# Altium PCB IC_LAB_test.PcbDoc (part 5 of 8)
Units mil, origin at the board's own origin, x right, y up, seen from the top; angles counter-clockwise.
Board outline 9750.75 x 5353.06 mil, 2 copper layers (Top Layer, Bottom Layer); 164 components, 0 nets, 5989 pads, 3214 vias.
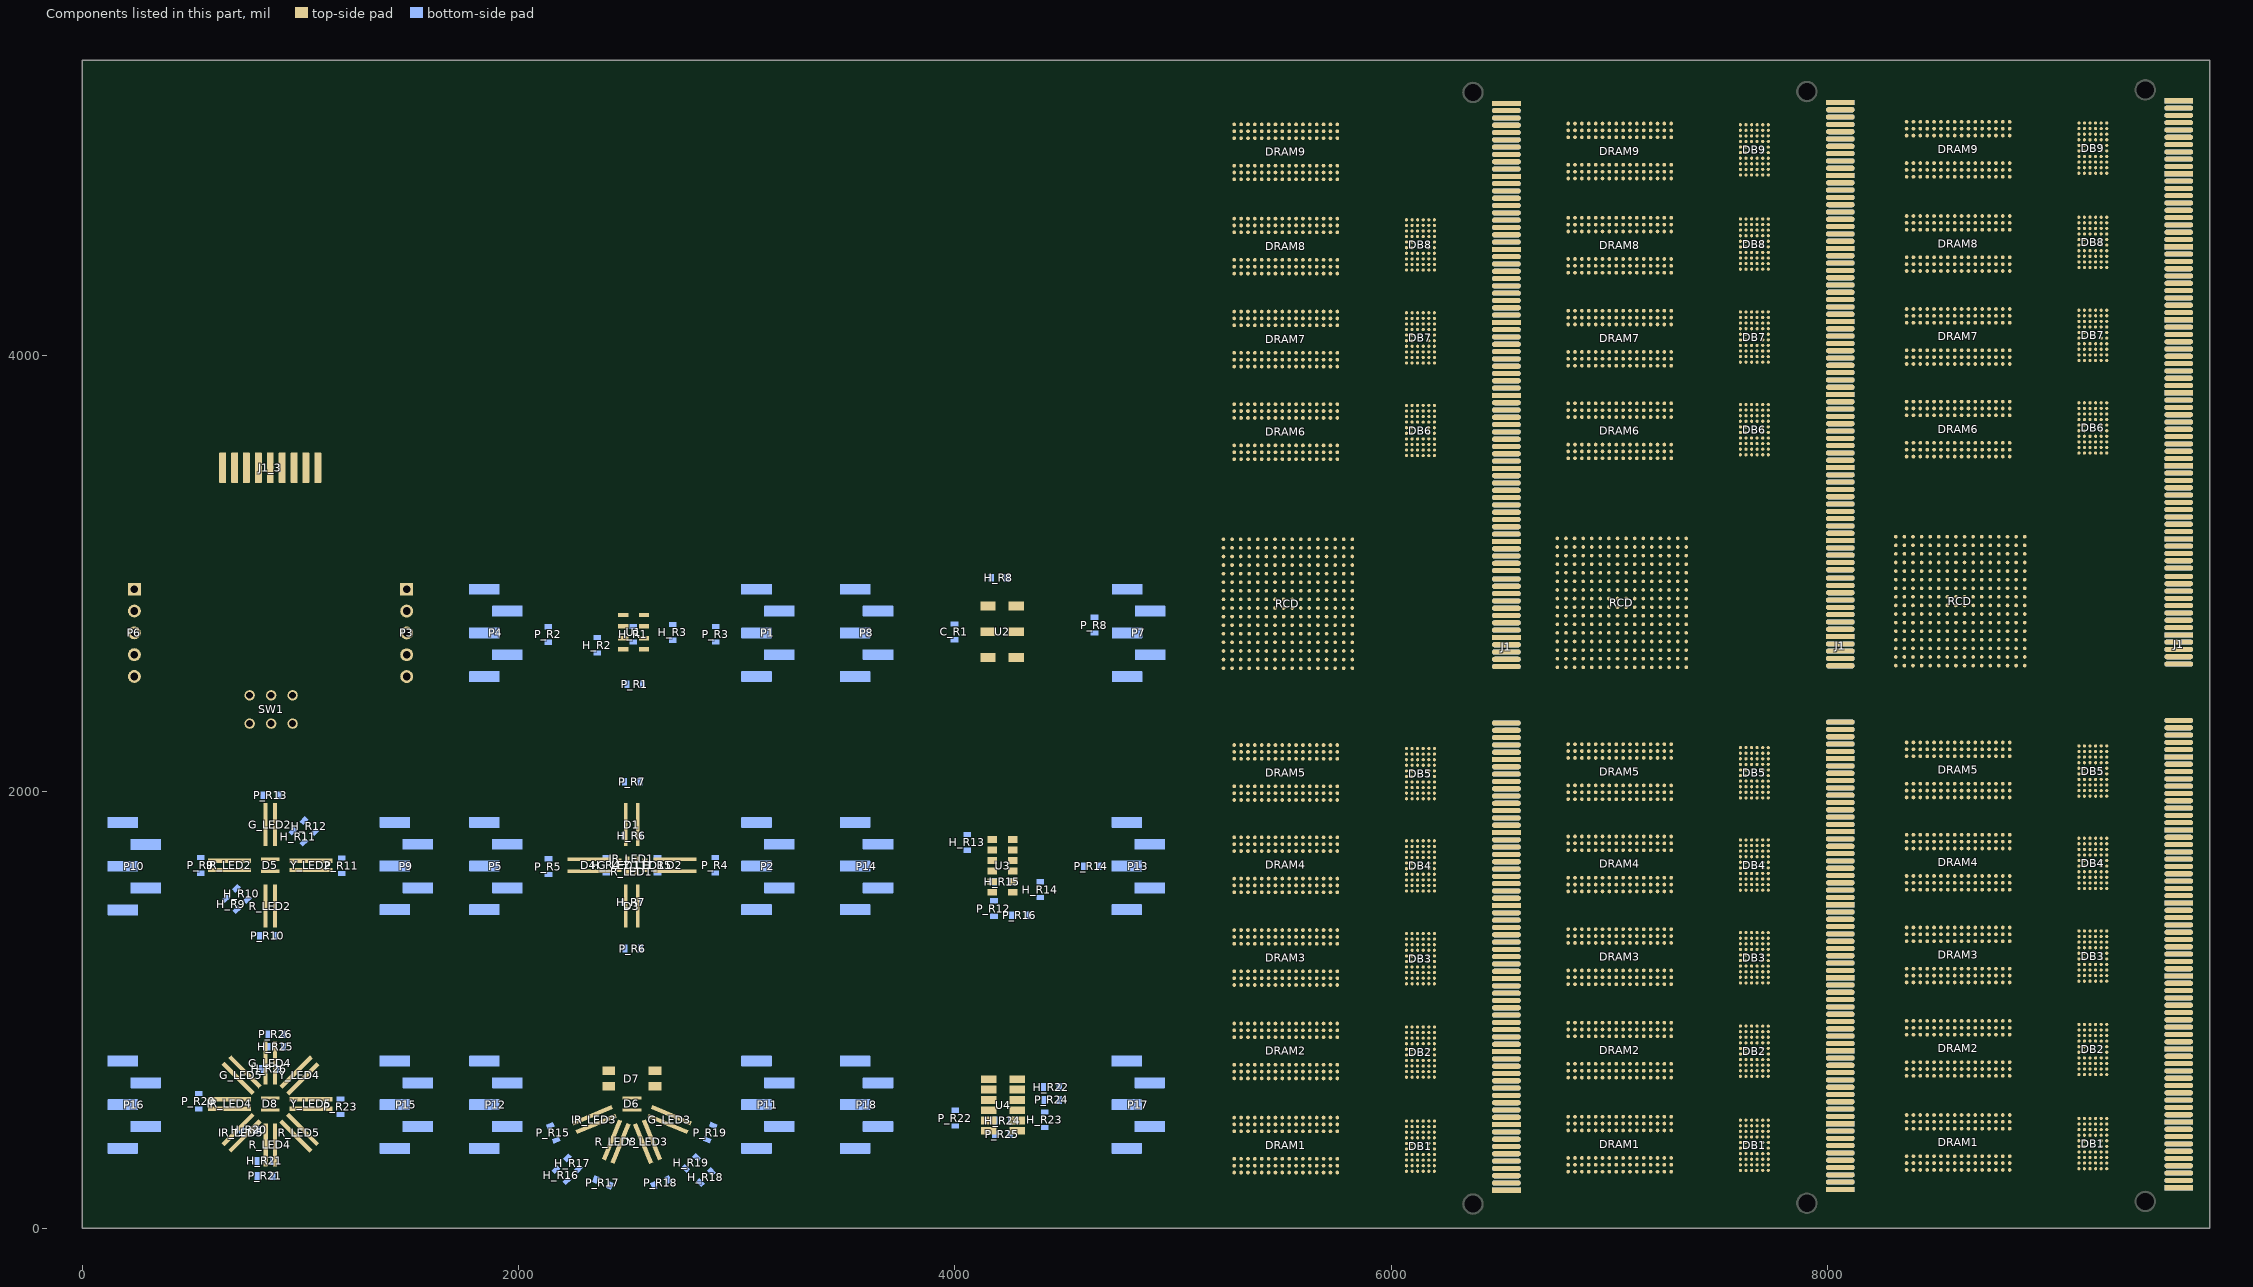
[diagram p5: the components of this part, seen from the top]

## Via types
v1: diameter 17.72, hole 8, Top Layer to Bottom Layer, 2685 vias
v2: diameter 39.37, hole 23.62, Top Layer to Bottom Layer, tented both sides, 414 vias
v3: diameter 23.62, hole 11.81, Top Layer to Bottom Layer, 52 vias
v4: diameter 23.62, hole 11.81, Top Layer to Bottom Layer, tented top, 33 vias
v5: diameter 31.5, hole 15.75, Top Layer to Bottom Layer, 21 vias
v6: diameter 137.8, hole 122.05, Top Layer to Bottom Layer, 3 vias
v7: diameter 78.74, hole 62.99, Top Layer to Bottom Layer, 3 vias
v8: diameter 39.37, hole 19.68, Top Layer to Bottom Layer, 3 vias

## Nets (pads, with @x,y where several pads share a name; then routed paths per layer and width w, separated by ;. In a path a pad name is that pad's centre, name@x,y a point inside that pad or via, vN(x,y) a via of type N, cw(c..) or ccw(c..) an arc to the next point about the centre after c; other vN are vias at no path point) (continued)
copper on no net: (continued)
  Top Layer w3.5: 8613.58,1771.46 8629.86,1755.18 8651.38,1755.18 8661.36,1745.2 8661.36,1733.66 8676.32,1718.7 8676.32,1702.72 8685.47,1693.57 8698.4,1693.57 8707.54,1702.72 8707.54,1718.98 8692.86,1733.66 8692.86,1777.76 8701.77,1786.67 8849.43,1786.67 8963.2,1672.9 ; 8613.58,2005.43 8614.67,2005.43 8629.06,1991.05 v1(8629.06,1945.05) ; 8613.58,2036.93 8613.58,2038.25 8631.06,2055.72 v1(8631.06,2057.05) ; 8613.58,2162.91 8616.25,2160.25 8616.25,2151.85 8632.06,2136.05 v1(8634.06,2136.05) ; 8613.58,3567.68 8630.06,3551.2 8630.06,3542.67 8629.86,3542.48 8629.86,3529.88 8630.06,3529.69 v1(8630.06,3504.05) ; 8613.58,3599.17 8613.58,3601.37 8631.06,3618.85 v1(8631.06,3621.05) ; 8613.58,3725.16 8615.06,3723.68 8615.06,3714.05 8630.06,3699.05 v1(8632.06,3699.05) ; 8613.58,3992.09 8631.06,3974.61 8631.06,3968.08 8629.86,3966.89 8629.86,3954.29 8631.06,3953.1 v1(8631.06,3935.05) ; 8613.58,4023.58 8613.58,4025.58 8632.06,4044.05 v1(8632.06,4046.05) ; 8613.58,4149.57 8613.58,4145.96 8634.06,4125.48 v1(8634.06,4123.05) ; 8613.58,4418.27 8613.58,4416.52 8630.06,4400.05 8630.06,4393.26 8629.86,4393.07 8629.86,4380.47 8630.06,4380.28 v1(8630.06,4359.05) ; 8613.58,4449.76 8613.58,4451.17 8632.06,4469.64 v1(8632.06,4471.05) ; 8613.58,4575.75 8615.32,4574.01 8615.32,4562.78 8633.06,4545.05 v1(8634.06,4545.05) ; 8613.58,4850.04 8613.58,4849.52 8629.06,4834.05 8629.06,4799.05 8631.33,4796.77 8631.33,4792.77 v1(8633.06,4791.05) ; 8613.58,4881.54 8613.58,4885.14 8630.06,4901.61 v1(8630.06,4904.05) ; 8613.58,5007.52 8613.58,5005.52 8634.06,4985.05 v1(8634.06,4983.05) ; v1(8641.06,3819.05) 8629.06,3807.05 8629.06,3774.05 8645.08,3758.02 8645.08,3756.65 ; v1(8643.06,2517.05) 8644.65,2517.05 8705.94,2578.35 ; 8645.08,455.55 8660.08,440.55 8660.08,431.02 v1(8661.06,430.05) ; 8645.08,487.05 8661.06,503.02 v1(8661.06,565.05) ; 8645.08,886.73 8662.06,869.76 v1(8662.06,858.05) ; 8645.08,918.23 8628.94,934.37 8628.94,971.93 8652.06,995.05 v1(8654.06,995.05) ; 8645.08,1314.96 8645.08,1312.46 8666.06,1291.48 v1(8666.06,1289.05) ; 8645.08,1346.46 8661.06,1362.43 8661.06,1396.61 8655.06,1402.61 v1(8655.06,1405.05) ; 8645.08,1739.96 8645.08,1737.92 8660.44,1722.56 v1(8660.44,1705.24) ; 8645.08,1771.46 8660.29,1786.67 8660.29,1809.25 8657.06,1812.49 v1(8657.06,1848.05) ; 8645.08,2162.91 8660.44,2147.56 v1(8660.44,2130.44) ; 8645.08,2194.41 8660.29,2209.62 8660.29,2255.81 v1(8650.06,2266.05) ; 8645.08,3725.16 8661.69,3708.55 8661.69,3698.41 v1(8662.06,3698.05) ; 8645.08,4149.57 8664.06,4130.59 v1(8664.06,4116.05) ; 8645.08,4181.06 8660.29,4196.28 8660.29,4236.81 v1(8651.06,4246.05) ; 8645.08,4575.75 8664.06,4556.77 v1(8664.06,4546.05) ; 8645.08,4607.24 8661.06,4623.22 8661.06,4662.2 8654.06,4669.2 v1(8654.06,4670.05) ; 8645.08,5007.52 8667.06,4985.54 v1(8667.06,4974.05) ; 8645.08,5039.02 8647.02,5039.02 8658.06,5050.05 8658.06,5061.97 8660.29,5064.21 8660.29,5076.81 8658.06,5079.05 v1(8658.06,5102.05) ; v1(8651.06,3910.05) 8659.06,3902.05 8853.06,3902.05 8909.73,3958.72 9158.69,3958.72 9176.69,3976.73 ; v1(8653.06,4329.05) 8858.06,4329.05 8916.06,4387.05 9160.83,4387.05 9176.69,4402.91 ; v1(8654.06,647.05) 8659.06,642.05 8857.06,642.05 8902.06,687.05 9160.24,687.05 9176.69,703.5 ; v1(8654.06,3491.05) 8656.06,3489.05 8866.06,3489.05 8911.06,3534.05 9158.42,3534.05 9176.69,3552.32 ; v1(8658.06,4770.05) 8663.06,4765.05 8870.06,4765.05 8920.73,4815.72 9157.73,4815.72 9176.69,4834.69 ; v1(8662.06,197.05) 8966.06,197.05 9024.06,255.05 9159.42,255.05 9176.69,272.32 ; v1(8676.06,1094.05) 8676.57,1094.57 8676.57,1125.98 ; v1(8676.06,1943.05) 8676.57,1943.57 8676.57,1973.94 ; 8676.57,266.57 8676.57,237.53 v1(8677.06,237.05) ; 8676.57,455.55 8694.06,438.07 v1(8694.06,431.05) ; 8676.57,697.76 8677.06,697.28 v1(8677.06,668.05) ; 8676.57,886.73 8695.87,867.44 v1(8695.87,858.79) ; 8676.57,1314.96 8678.36,1314.96 8697.27,1296.05 v1(8697.27,1294.19) ; 8676.57,1550.98 8676.57,1520.53 v1(8677.06,1520.05) ; 8676.57,1739.96 8676.57,1737.74 8696.13,1718.19 8691.93,1713.99 v1(8691.93,1709.18) ; 8676.57,2162.91 8676.57,2161.72 8693.06,2145.24 v1(8693.06,2144.05) ; 8676.57,3536.18 8676.57,3507.53 v1(8677.06,3507.05) ; 8676.57,3725.16 8676.57,3722.84 8692.06,3707.36 v1(8692.06,3705.05) ; 8676.57,3960.59 8676.57,3929.53 v1(8677.06,3929.05) ; 8676.57,4146.96 v1@8691.06,4132.48 ; 8676.57,4386.77 8676.57,4355.53 v1(8677.06,4355.05) ; 8676.57,4575.75 8676.57,4572.96 8692.06,4557.48 v1(8692.06,4555.05) ; 8676.57,4818.54 8676.57,4787.53 v1(8677.06,4787.05) ; 8676.57,5007.52 8676.57,5006.52 8693.06,4990.04 v1(8693.06,4989.05) ; v1(8680.06,3204.05) 8681.78,3202.33 8681.78,3195.81 8705.94,3171.64 8705.94,3168.9 ; v1(8686.06,2874.05) 8686.37,2874.05 8705.63,2893.31 8705.94,2893.31 ; v1(8687.06,2834.05) 8705.94,2852.94 8705.94,2853.94 ; v1(8687.06,2954.05) 8687.06,2952.81 8705.94,2933.92 8705.94,2932.68 ; v1(8695.06,2518.05) 8698.06,2518.05 8744.06,2564.05 8744.06,2577.09 8745.31,2578.35 ; v1(8718.06,3204.05) 8743.06,3179.05 8743.06,3171.16 8745.31,3168.9 ; v1(8720.06,1211.05) 8720.06,1209.77 8739.57,1190.26 8739.57,1188.98 ; v1(8723.06,1637.05) 8724.78,1635.33 8724.78,1628.77 8739.57,1613.98 ; v1(8723.06,3621.05) 8739.57,3604.54 8739.57,3599.17 ; v1(8724.06,784.05) 8739.57,768.54 8739.57,760.75 ; v1(8724.06,2061.05) 8725.78,2059.33 8725.78,2050.72 8739.57,2036.93 ; v1(8725.06,357.05) 8739.57,342.54 8739.57,329.57 ; v1(8726.06,2833.05) 8726.06,2833.86 8745.31,2853.12 8745.31,2853.94 ; v1(8726.06,2953.05) 8726.06,2952.49 8745.31,2933.23 8745.31,2932.68 ; v1(8727.06,2874.05) 8727.06,2874.55 8745.31,2892.81 8745.31,2893.31 ; 8739.57,455.55 8739.57,448.54 v1(8756.06,432.05) ; 8739.57,886.73 8738.06,885.22 8738.06,876.05 8757.06,857.05 v1(8759.06,857.05) ; 8739.57,1314.96 8739.57,1314.25 8759.06,1294.76 v1(8759.06,1294.05) ; 8739.57,1739.96 8759.33,1720.19 8759.33,1713.77 v1(8761.06,1712.05) ; 8739.57,2162.91 8742.23,2160.25 8742.23,2147.87 v1(8758.06,2132.05) ; 8739.57,3725.16 8742.06,3722.67 8742.06,3715.05 8754.06,3703.05 v1(8755.06,3703.05) ; 8739.57,4023.58 8755.06,4039.07 v1(8755.06,4050.05) ; 8739.57,4149.57 8739.57,4148.05 8757.06,4130.56 v1(8757.06,4129.05) ; 8739.57,4449.76 8739.57,4453.12 8756.06,4469.61 v1(8756.06,4472.05) ; 8739.57,4575.75 8739.57,4574.14 8758.06,4555.65 v1(8758.06,4554.05) ; 8739.57,4881.54 8742.23,4884.2 8742.23,4891.22 v1(8757.06,4906.05) ; 8739.57,5007.52 8739.57,5007.03 8759.06,4987.54 v1(8759.06,4987.05) ; 8745.31,2814.57 8747.43,2814.57 8763.94,2798.05 v1(8766.06,2798.05) ; v1(8746.06,2519.05) 8784.68,2557.68 8784.68,2578.35 ; v1(8754.06,1084.05) 8754.06,1118.96 8754.78,1119.68 8754.78,1132.29 8754.06,1133.01 8754.06,1140.47 8771.06,1157.48 ; v1(8754.06,1636.05) 8754.06,1633.61 8771.06,1616.6 8771.06,1613.98 ; v1(8755.06,784.05) 8756.78,782.33 8756.78,775.03 8771.06,760.75 ; v1(8755.06,1510.05) 8755.06,1566.47 8771.06,1582.48 ; v1(8755.06,3620.05) 8755.06,3617.61 8771.06,3601.61 8771.06,3599.17 ; v1(8756.06,217.05) 8756.06,260.07 8755.85,260.27 8755.85,272.88 8756.06,273.08 8756.06,283.06 8771.06,298.07 ; v1(8756.06,658.05) 8756.06,691.25 8755.85,691.45 8755.85,704.06 8756.06,704.26 8756.06,714.24 8771.06,729.25 ; v1(8756.06,1213.05) 8757.49,1211.61 8757.49,1202.55 8771.06,1188.98 ; v1(8756.06,3919.05) 8756.06,3954.08 8755.85,3954.29 8755.85,3966.89 8756.06,3967.1 8756.06,3977.08 8771.06,3992.09 ; v1(8756.06,4785.05) 8756.06,4812.03 8755.85,4812.24 8755.85,4824.85 8756.06,4825.05 8756.06,4835.03 8771.06,4850.04 ; v1(8757.06,357.05) 8769.14,344.97 8769.14,331.49 8771.06,329.57 ; v1(8757.06,2060.05) 8758.44,2058.66 8758.44,2049.55 8771.06,2036.93 ; v1(8757.06,3502.05) 8757.06,3528.67 8755.85,3529.88 8755.85,3542.48 8757.06,3543.69 8757.06,3553.67 8771.06,3567.68 ; v1(8757.06,4343.05) 8755.85,4344.25 8755.85,4403.05 8771.06,4418.27 ; v1(8758.06,1925.05) 8758.06,1992.43 8771.06,2005.43 ; v1(8764.06,3207.05) 8764.06,3189.29 8784.44,3168.9 8784.68,3168.9 ; v1(8765.06,2836.05) 8766.8,2836.05 8784.68,2853.94 ; v1(8766.06,2913.05) 8766.06,2913.55 8784.68,2932.18 8784.68,2932.68 ; v1(8767.06,2872.05) 8767.06,2873.86 8784.68,2891.49 8784.68,2893.31 ; 8771.06,455.55 8903.11,323.5 9151.1,323.5 ; 8771.06,487.04 8787.34,470.77 8846.34,470.77 8942.42,374.69 9151.1,374.69 ; 8771.06,886.73 8903.11,754.69 9151.1,754.69 ; 8771.06,918.23 8787.24,902.05 8846.06,902.05 8942.24,805.87 9151.1,805.87 ; 8771.06,1314.96 8903.11,1182.91 9151.1,1182.91 ; 8771.06,1346.46 8787.28,1330.24 8844.94,1330.24 8868.66,1306.51 8868.66,1306.44 8941.01,1234.09 9151.1,1234.09 ; 8771.06,1739.96 8903.11,1607.91 9151.1,1607.91 ; 8771.06,1771.46 8787.34,1755.18 8853,1755.18 8874.66,1733.51 8874.66,1730.44 8946.01,1659.09 9151.1,1659.09 ; 8771.06,2162.91 8903.11,2030.87 9151.1,2030.87 ; 8771.06,2194.41 8786.81,2178.66 8856.51,2178.66 8875.66,2159.51 8875.66,2157.44 8951.06,2082.05 9151.1,2082.05 ; 8771.06,3725.16 8892.72,3603.5 9151.1,3603.5 ; 8771.06,3756.65 8771.45,3756.65 8786.06,3742.05 8856.06,3742.05 8943.42,3654.69 9151.1,3654.69 ; 8771.06,4023.58 8771.06,4026.62 8788.06,4043.61 v1(8788.06,4046.05) ; 8771.06,4149.57 8892.72,4027.91 9151.1,4027.91 ; 8771.06,4181.06 8787.08,4165.05 8852.06,4165.05 8938.01,4079.09 9151.1,4079.09 ; 8771.06,4449.76 8784.33,4463.03 8784.33,4469.33 v1(8786.06,4471.05) ; 8771.06,4575.75 8892.72,4454.09 9151.1,4454.09 ; 8771.06,4607.24 8785.58,4592.72 8795.56,4592.72 8796.26,4592.03 8802.75,4592.03 8803.82,4590.96 8808.86,4590.96 8809.78,4590.05 8826.84,4590.05 8827.75,4590.96 8840.36,4590.96 8841.27,4590.05 8853.06,4590.05 8937.83,4505.28 9151.1,4505.28 ; 8771.06,4881.54 8771.06,4883.8 8789.06,4901.79 v1(8789.06,4904.05) ; 8771.06,5007.52 8892.72,4885.87 9151.1,4885.87 ; 8771.06,5039.02 8787.03,5023.05 8860.76,5023.05 8946.76,4937.05 9151.1,4937.05 ; 8784.68,2814.57 8785.61,2814.57 8804.13,2796.05 v1(8805.06,2796.05) ; v1(8799.06,2519.05) 8824.06,2544.05 8824.06,2578.35 ; 8802.56,298.07 8802.56,295.54 8815.25,282.86 8975.65,282.86 8990.7,297.91 9151.1,297.91 ; 8802.56,329.57 8818.54,345.55 8818.54,355.53 v1(8819.06,356.05) ; 8802.56,729.25 8818.7,713.11 8845.12,713.11 8861.1,729.09 9151.1,729.09 ; 8802.56,760.75 8816.33,774.52 8816.33,781.33 v1(8818.06,783.05) ; 8802.56,1157.48 8817.77,1142.27 8850.27,1142.27 8865.33,1157.32 9151.1,1157.32 ; 8802.56,1188.98 8802.56,1202.55 v1(8813.06,1213.05) ; 8802.56,1582.48 8817.77,1567.27 8851.27,1567.27 8866.33,1582.32 9151.1,1582.32 ; 8802.56,1613.98 8816.06,1627.47 v1(8816.06,1639.05) ; 8802.56,2005.43 8817.77,1990.22 8857.23,1990.22 8872.28,2005.28 9151.1,2005.28 ; 8802.56,2036.93 8815.33,2049.7 8815.33,2056.33 v1(8817.06,2058.05) ; 8802.56,3567.68 8817.77,3552.46 8845.47,3552.46 8870.92,3577.91 9151.1,3577.91 ; 8802.56,3599.17 8813.93,3610.55 8813.93,3620.93 v1(8814.06,3621.05) ; 8802.56,3992.09 8817.77,3976.87 8845.88,3976.87 8871.33,4002.32 9151.1,4002.32 ; 8802.56,4023.58 8814.06,4035.08 v1(8814.06,4047.05) ; 8802.56,4418.27 8817.78,4403.05 8842.06,4403.05 8867.51,4428.5 9151.1,4428.5 ; 8802.56,4449.76 8815.33,4462.54 8815.33,4470.33 v1(8817.06,4472.05) ; 8802.56,4850.04 8817.77,4834.82 8851.83,4834.82 8877.28,4860.28 9151.1,4860.28 ; 8802.56,4881.54 8802.56,4884.12 8819.06,4900.61 v1(8819.06,4903.05) ; v1(8805.06,2873.05) 8805.06,2873.68 8824.06,2892.68 8824.06,2893.31 ; v1(8805.06,2912.05) 8805.06,2912.86 8824.06,2931.86 8824.06,2932.68 ; v1(8805.06,2952.05) 8805.06,2952.55 8824.06,2971.55 8824.06,2972.05 ; v1(8806.06,2835.05) 8806.06,2835.49 8824.06,2853.49 8824.06,2853.94 ; v1(8812.06,1046.05) 8859.06,1046.05 8918.06,1105.05 9175.6,1105.05 9202.28,1131.73 ; v1(8814.06,3884.05) 8858.06,3884.05 8919.06,3945.05 9170.6,3945.05 9202.28,3976.73 ; v1(8815.06,3469.05) 8869.06,3469.05 8917.06,3517.05 9167.01,3517.05 9202.28,3552.32 ; v1(8815.06,4309.05) 8817.06,4307.05 8866.06,4307.05 8925.06,4366.05 9165.42,4366.05 9202.28,4402.91 ; v1(8817.06,1472.05) 8820.06,1475.05 8864.06,1475.05 8918.06,1529.05 9162.06,1529.05 9163.06,1530.05 9175.6,1530.05 9202.28,1556.73 ; v1(8817.06,1891.05) 8818.06,1892.05 8870.06,1892.05 8925.06,1947.05 9169.65,1947.05 9202.28,1979.69 ; v1(8818.06,628.05) 8873.06,628.05 8916.06,671.05 9169.83,671.05 9202.28,703.5 ; v1(8818.06,4748.05) 8818.06,4747.05 8819.06,4746.05 8884.06,4746.05 8939.06,4801.05 9168.65,4801.05 9202.28,4834.69 ; v1(8820.06,183.05) 8965.06,183.05 9024.06,242.05 9172.01,242.05 9202.28,272.32 ; 8824.06,2657.09 8843.09,2638.05 v1(8845.06,2638.05) ; 8824.06,2814.57 8845.54,2836.05 8971.06,2836.05 9193.79,3058.78 9609.06,3058.78 ; 8824.06,3168.9 8822.06,3170.9 8822.06,3178.05 v1@8801.41,3198.7 ; 8834.06,455.55 8852.06,437.55 v1(8852.06,436.86) ; 8834.06,886.73 8853.02,867.77 8860.33,867.77 v1(8862.06,866.05) ; 8834.06,1314.96 8838.14,1314.96 v1(8853.06,1300.05) ; 8834.06,1739.96 8846.97,1727.05 v1(8859.06,1727.05) ; 8834.06,2162.91 8836.1,2162.91 8845.97,2153.05 v1(8860.06,2153.05) ; 8834.06,3725.16 8846.17,3713.05 v1(8859.06,3713.05) ; 8834.06,4149.57 8848.57,4135.05 v1(8860.06,4135.05) ; 8834.06,4575.75 8847.76,4562.05 v1(8861.06,4562.05) ; 8834.06,5007.52 8845,4996.57 v1(8865.16,4996.57) ; v1(8838.06,3203.05) 8839.78,3201.33 8839.78,3192.55 8863.43,3168.9 ; v1(8845.06,2912.05) 8845.06,2913.18 8863.43,2931.55 8863.43,2932.68 ; v1(8849.06,2519.05) 8863.43,2533.42 8863.43,2578.35 ; v1(8853.06,1096.05) 8854.78,1097.77 8862.78,1097.77 8896.74,1131.73 9151.1,1131.73 ; v1(8854.06,231.05) 8979.06,231.05 9020.33,272.32 9151.1,272.32 ; v1(8859.06,1524.05) 8891.74,1556.73 9151.1,1556.73 ; v1(8861.06,1944.05) 8896.69,1979.69 9151.1,1979.69 ; v1(8861.06,3942.05) 8895.74,3976.73 9151.1,3976.73 ; v1(8861.22,3514.29) 8899.25,3552.32 9151.1,3552.32 ; v1(8863.06,4365.05) 8863.06,4371.05 8894.06,4402.05 9150.24,4402.05 9151.1,4402.91 ; 8863.43,2617.72 8878.06,2603.09 8878.06,2585.09 8878.54,2584.61 8878.54,2572.09 8878.06,2571.6 v1(8878.06,2519.05) ; 8863.43,2657.09 8881.46,2639.05 v1(8882.06,2639.05) ; 8863.43,2696.46 8865.65,2696.46 v1(8883.06,2679.05) ; 8863.43,2735.83 8882.2,2717.05 v1(8884.06,2717.05) ; 8863.43,2775.2 8865.91,2775.2 8885.06,2756.05 8920.06,2756.05 v1(9217.06,2459.05) ; 8863.43,2814.57 8863.43,2813.62 8882.06,2794.99 v1(8882.06,2794.05) ; 8863.43,2853.94 8881.42,2853.94 8898.14,2870.66 8936.66,2870.66 9191.72,3125.71 9609.06,3125.71 ; 8863.43,2893.31 8882.17,2912.05 8914.06,2912.05 9194.65,3192.64 9609.06,3192.64 ; 8863.43,2972.05 8864.92,2973.54 8864.92,2984.91 8884.06,3004.05 8884.06,3055.05 8896.06,3067.05 8908.06,3067.05 9167.51,3326.5 9609.06,3326.5 ; v1(8864.06,676.05) 8864.06,677.05 8889.06,702.05 9149.65,702.05 9151.1,703.5 ; v1(8864.06,4797.05) 8901.69,4834.69 9151.1,4834.69 ; v1(8899.99,1763.11) 9149.45,1763.11 9151.1,1761.46 ; v1(8900.06,1786.05) 8900.56,1786.55 9150.6,1786.55 9151.1,1787.05 ; v1(8902.06,2519.05) 8902.8,2519.79 8902.8,2578.35 ; 8902.8,2657.09 9151.06,2408.83 v1@9151.06,2251.05 ; 8902.8,2696.46 8902.8,2678.46 9243.48,2337.78 v1(9243.48,2233.49) ; 8902.8,2735.83 8927.06,2711.57 v1(8927.06,2711.05) ; 8902.8,2775.2 8930.91,2775.2 v1(9195.06,2511.05) ; 8902.8,2814.57 8916.28,2828.05 8994.03,2828.05 9191.3,3025.32 9609.06,3025.32 ; 8902.8,2853.94 8929.94,2853.94 v1(8931.06,2855.05) ; 8902.8,2893.31 8919.31,2893.31 8930.06,2904.05 8930.06,2910.05 v1(8931.06,2911.05) ; 8902.8,2932.68 8928.06,2957.94 8928.06,2981.05 v1(8929.06,2982.05) ; 8902.8,2972.05 8902.8,2988.79 8927.06,3013.05 8927.06,3059.05 v1(8926.06,3060.05) ; v1(8910.06,364.05) 8925.01,349.09 9151.1,349.09 ; v1(8910.06,795.05) 8924.83,780.28 9151.1,780.28 ; v1(8910.06,909.05) 8910.87,908.23 9151.1,908.23 ; v1(8911.06,1653.05) 8930.6,1633.5 9151.1,1633.5 ; v1(8911.06,2074.05) 8928.65,2056.46 9151.1,2056.46 ; v1(8911.06,5052.05) 9138.46,5052.05 9151.1,5039.41 ; v1(8912.06,935.05) 8913.28,933.82 9151.1,933.82 ; v1(8912.06,1225.05) 8928.6,1208.5 9151.1,1208.5 ; v1(8912.06,1336.05) 8912.26,1336.25 9150.9,1336.25 9151.1,1336.46 ; v1(8912.06,4060.05) 8918.6,4053.5 9151.1,4053.5 ; v1(8912.06,4911.05) 8912.46,4911.46 9151.1,4911.46 ; v1(8912.06,5077.05) 8924.1,5065 9151.1,5065 ; v1(8913.06,1363.05) 8913.56,1362.55 9150.6,1362.55 9151.1,1362.05 ; v1(8913.06,2184.05) 8913.24,2184.23 9150.92,2184.23 9151.1,2184.41 ; v1(8913.06,2210.05) 8913.1,2210 9151.1,2210 ; v1(8913.06,3758.05) 8913.56,3757.55 9150.6,3757.55 9151.1,3757.05 ; v1(8913.06,3783.05) 8913.46,3782.64 9151.1,3782.64 ; v1(8913.06,4180.05) 8914.46,4181.46 9151.1,4181.46 ; v1(8913.06,4480.05) 8913.42,4479.69 9151.1,4479.69 ; v1(8913.06,4615.05) 8920.46,4607.64 9151.1,4607.64 ; v1(8914.06,4638.05) 8918.87,4633.23 9151.1,4633.23 ; v1(8915.06,3633.05) 8919.01,3629.09 9151.1,3629.09 ; v1(8915.06,4206.05) 8915.56,4206.55 9150.6,4206.55 9151.1,4207.05 ; v1(8916.06,1746.64) v1@8917.06,1747.65 ; v1(8918.06,4575.05) 8918.9,4575.05 8925.9,4582.05 9151.1,4582.05 ; v1(8921.06,3723.05) 8929.46,3731.46 9151.1,3731.46 ; v1(8922.06,4148.05) 8929.87,4155.87 9151.1,4155.87 ; v1(8925.06,5007.05) 8931.83,5013.82 9151.1,5013.82 ; v1(8930.06,452.05) 8930.65,451.46 9151.1,451.46 ; v1(8933.06,1730.05) 8935.49,1730.05 8941.31,1735.87 9151.1,1735.87 ; v1(8933.06,4557.05) 8933.65,4556.46 9151.1,4556.46 ; v1(8935.06,4131.05) 8935.83,4130.28 9151.1,4130.28 ; v1(8936.06,2148.05) 8946.83,2158.82 9151.1,2158.82 ; v1(8936.06,3706.05) 8936.24,3705.87 9151.1,3705.87 ; v1(8941.06,4988.05) 8941.24,4988.23 9151.1,4988.23 ; v1(8942.06,1304.05) 8948.87,1310.87 9151.1,1310.87 ; v1(8945.06,865.05) 8962.65,882.64 9151.1,882.64 ; v1(8950.06,2132.05) 8951.24,2133.23 9151.1,2133.23 ; v1(8951.06,1712.05) 8951.94,1711.16 9150.22,1711.16 9151.1,1710.28 ; v1(8957.06,1284.05) 8957.67,1284.66 9150.49,1284.66 9151.1,1285.28 ; v1(8959.06,846.05) 8970.06,857.05 9151.1,857.05 ; v1(8968.06,3002.05) 9192.11,3226.1 9609.06,3226.1 ; v1(8969.06,2860.05) 9201.25,3092.25 9609.06,3092.25 ; v1(8969.06,3040.05) 9188.58,3259.57 9609.06,3259.57 ; v1(8970.06,3150.05) 9171.06,3351.05 9421.06,3351.05 9429.97,3359.96 9609.06,3359.96 ; v1(8971.06,2931.05) 9199.18,3159.18 9609.06,3159.18 ; v1(8971.06,3082.05) 9182.04,3293.03 9609.06,3293.03 ; v1(8971.06,3195.05) 9133.06,3357.05 9367.06,3357.05 9403.44,3393.43 9609.06,3393.43 ; v1(8974.06,3243.05) 9128.34,3397.33 9317.41,3397.33 9346.97,3426.89 9609.06,3426.89 ; v1(8983.06,418.05) 8990.87,425.87 9151.1,425.87 ; v1(9014.06,478.05) 9015.06,477.05 9151.1,477.05 ; v1(9058.06,503.05) 9058.46,502.64 9151.1,502.64 ; v1(9086.06,4531.05) 9086.24,4530.87 9151.1,4530.87 ; v1(9087.06,4105.05) 9087.42,4104.69 9151.1,4104.69 ; v1(9088.06,4963.05) 9088.46,4962.64 9151.1,4962.64 ; v1(9089.06,3681.05) 9089.83,3680.28 9151.1,3680.28 ; v1(9092.06,1686.05) 9092.74,1685.37 9150.42,1685.37 9151.1,1684.69 ; v1(9094.06,831.05) 9094.46,831.46 9151.1,831.46 ; v1(9095.06,1260.05) 9095.42,1259.69 9151.1,1259.69 ; v1(9096.06,402.05) 9097.83,400.28 9151.1,400.28 ; v1(9096.06,2109.05) 9096.76,2108.34 9150.4,2108.34 9151.1,2107.64 ; v1(9121.06,544.05) 9147.06,518.05 9159.03,518.05 9160.66,516.42 9162.91,516.42 9176.69,502.64 ; v1(9122.06,974.05) 9146.06,950.05 9160.46,950.05 9176.69,933.82 ; v1(9126.06,1401.05) 9126.06,1389.05 9138.06,1377.05 9161.69,1377.05 9176.69,1362.05 ; v1(9126.06,1825.05) 9141.66,1809.44 9154.3,1809.44 9176.69,1787.05 ; v1(9129.06,2250.05) 9129.06,2233.05 9135.06,2227.05 9159.65,2227.05 9176.69,2210 ; v1(9134.06,4246.05) 9134.06,4234.05 9142.06,4226.05 9153.06,4226.05 9172.06,4207.05 9176.69,4207.05 ; v1@9134.06,4678.05 9134.06,4675.87 9176.69,4633.23 ; v1(9136.06,3826.05) 9136.06,3809.05 9145.06,3800.05 9161.06,3800.05 9176.69,3784.41 9176.69,3782.64 ; v1(9144.06,5104.05) 9144.06,5091.05 9152.06,5083.05 9165.06,5083.05 9176.69,5071.41 9176.69,5065 ; v1(9168.06,544.05) 9202.28,509.82 9202.28,502.64 ; v1(9169.56,1834.67) 9169.56,1825.47 9186.6,1808.43 9192.67,1808.43 9202.27,1798.83 9202.27,1787.06 ; v1(9170.06,976.05) 9202.28,943.82 9202.28,933.82 ; v1(9172.06,1401.05) 9202.28,1370.82 9202.28,1362.05 ; 9173.06,2251.05 9173.06,2249.97 9202.28,2220.75 9202.28,2210 ; v1(9178.06,4246.05) 9202.28,4221.82 9202.28,4207.05 ; v1@9179.06,4679.05 9202.28,4655.82 9202.28,4633.23 ; v1@9181.06,3825.05 9202.28,3803.82 9202.28,3782.64 ; v1(9190.06,5104.05) 9202.28,5091.82 9202.28,5065 ; v1(9195.06,4090.05) 